# KiCad board EEZ DIB DCP405plus.kicad_pcb (continued)
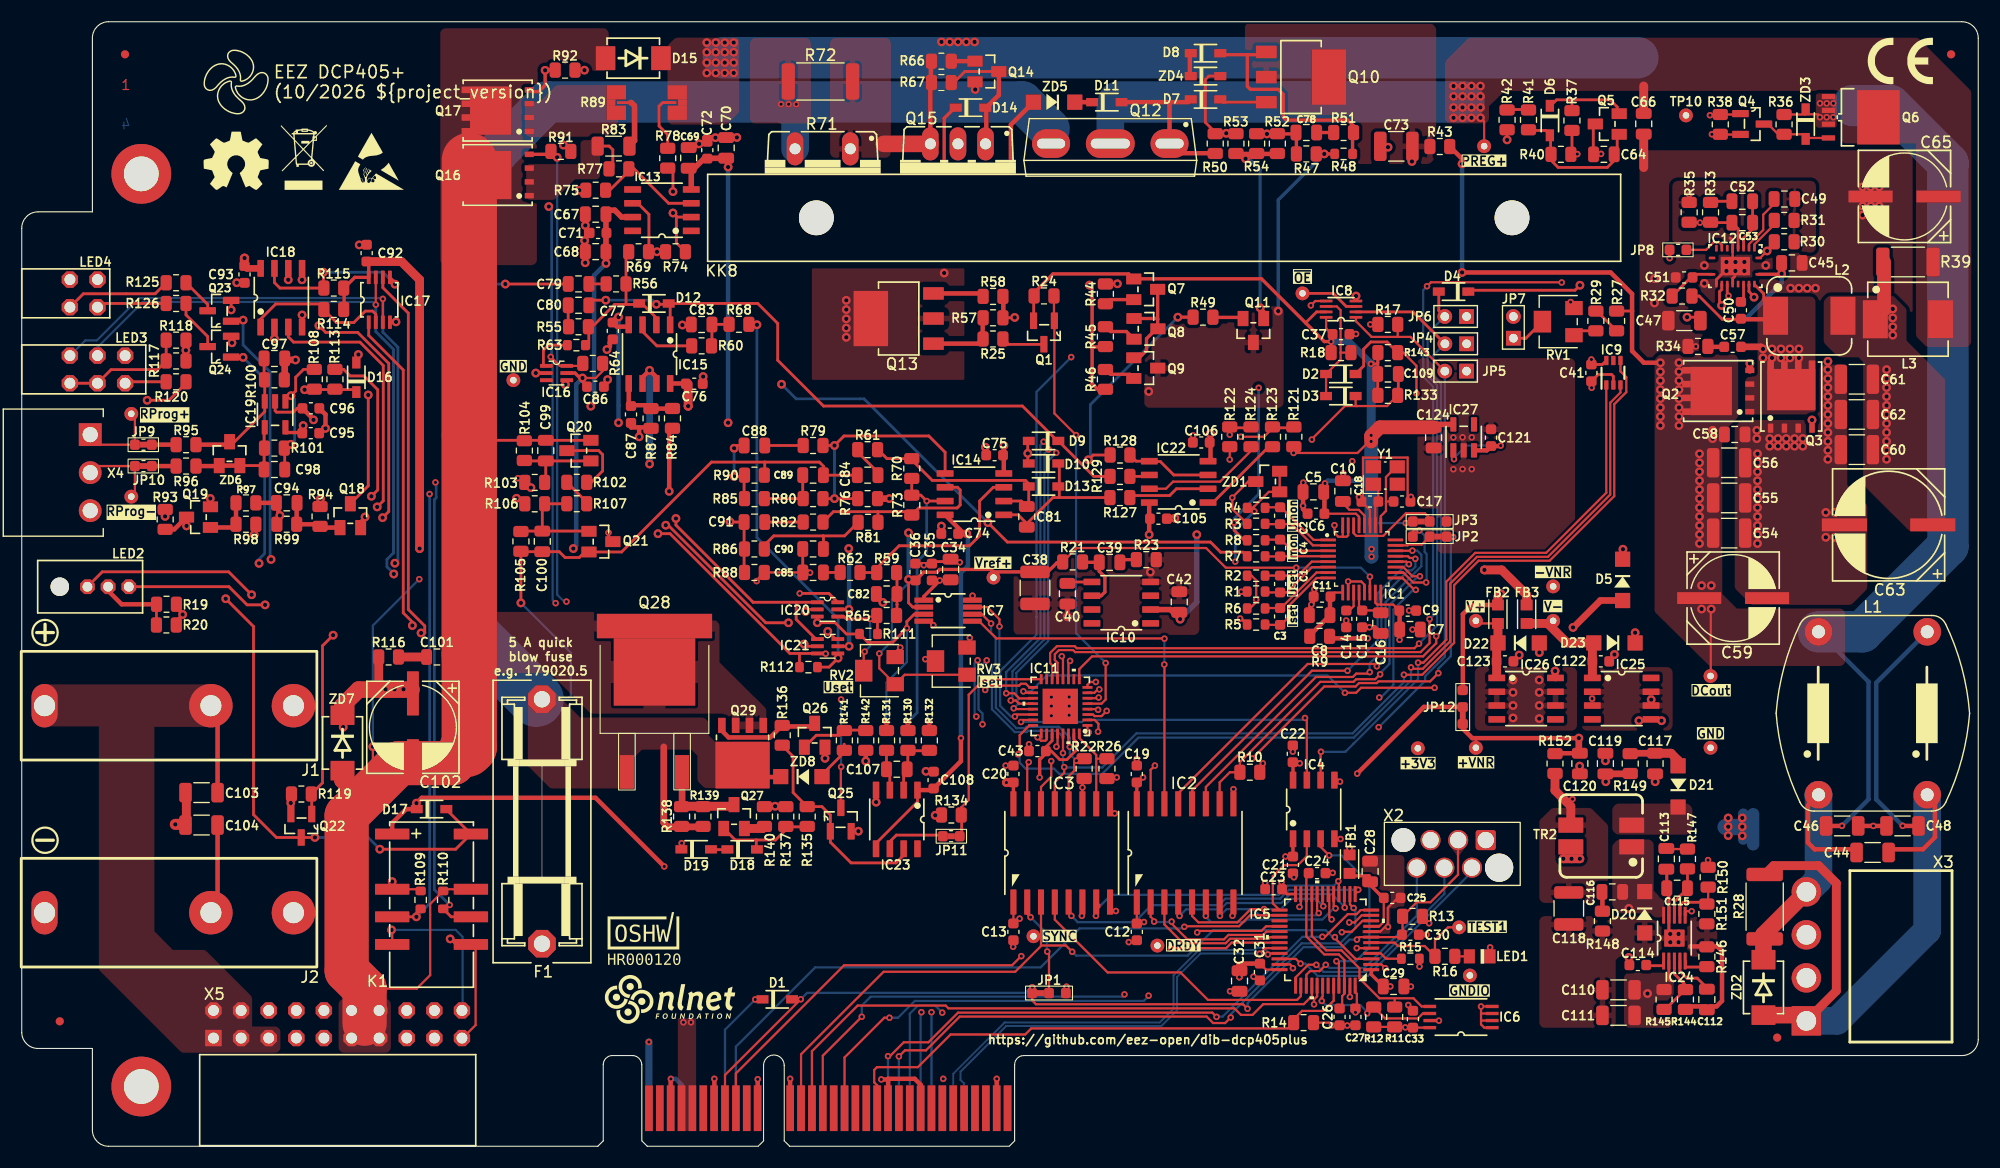
[diagram p0: board, top side]
## Routing (per net, layer and track width the routed paths; a pad name or vN(x,y) marks a point on that pad's centre or on a via; arc(x,y) is an arc through that point) (continued)
  Top w0.254: LED2.GREEN 19.06,51.5 20.73,49.83 v1(22.39,49.83)
  In2.Cu w0.203: 95.55,45.23 v2(95.68,45.1) 95.46,44.88 89.91,44.88 89.42,45.37 88.58,45.37 v2(87.94,44.73) ; v1(22.39,49.83) 22.73,49.83 26.82,45.74 54.3,45.74 61.69,38.35 84.51,38.35 85.71,39.55 v2(87.82,39.55)
  Bottom w0.203: v2(87.82,39.55) 87.66,39.7 87.66,44.46 v2(87.94,44.73)
/DAC, OE, Vref, IOEXP, Temp/~{OE_LED_RED}: length 106.3
  Top w0.203: v2(96.44,44.67) 96.29,44.52 IC11.11
  Top w0.254: LED2.RED 7.41,52.87 19.04,52.87 v1(21.15,50.76)
  In2.Cu w0.203: v2(88.39,38.84) 85.53,38.84 84.68,37.99 61.54,37.99 54.15,45.38 26.61,45.38 22.91,49.08 22.12,49.08 21.15,50.05 v1(21.15,50.76) ; 96.25,44.47 89.38,44.47 89.13,44.72 v2(88.78,44.72) ; 96.25,44.47 v2(96.44,44.67) 96.25,44.47
  In2.Cu w0.254: 21.32,50.59 v1(21.15,50.76)
  Bottom w0.203: v2(88.39,38.84) 88.39,39.83 88.02,40.2 88.02,43.96 v2(88.78,44.72)
/DAC, OE, Vref, IOEXP, Temp/~{SET_DP}: length 40.9
  Top w0.203: v2(97,65.45) 95,67.45 Q1.1 94.96,76.02 R24.2 ; IC11.5 99.34,40.74 99.72,41.12 v2(99.72,44.48)
  Bottom w0.203: v2(97,65.45) 97,47.22 99.72,44.5 v2(99.72,44.48)
/DIB isolators, EEPROM, ADC, MCU/AC_FREQ: length 55
  Top w0.203: IC5.40 118.69,13.82 117.95,13.08 114.22,13.08 113.23,12.09 112.17,12.09 111.57,12.69 85.26,12.69 85,12.95 76.9,12.95 72.7,8.75 X1.B14
/DIB isolators, EEPROM, ADC, MCU/ADC_IRQ: length 20
  Top w0.203: v2(110.23,21.21) 110.21,21.23 IC2.7 ; v2(119.33,21.46) 119.17,21.61 IC5.20
  In2.Cu w0.203: v2(110.23,21.21) 110.23,20.55 108.71,19.03 105.04,19.03 TP2.1
  Bottom w0.203: v2(119.33,21.46) 119.12,21.26 113.86,21.26 113.3,21.82 110.84,21.82 v2(110.23,21.21)
/DIB isolators, EEPROM, ADC, MCU/ADC_MISO: length 15.5
  Top w0.203: IC5.17 120.7,22.07 v2(120.87,21.89) ; IC2.6 108.94,21.11
  In2.Cu w0.203: 108.94,21.11 108.94,21.16
  Bottom w0.203: 108.94,21.11 109.39,20.65 112.49,20.65 112.71,20.87 119.66,20.87 120.68,21.89 v2(120.87,21.89)
  vias: v2(108.94,21.21)
/DIB isolators, EEPROM, ADC, MCU/ADC_MOSI: length 15.9
  Top w0.203: IC2.5 107.67,22.47 107.67,21.19 108.25,20.61 111.84,20.61 113.07,21.83 v2(114.29,21.83) ; v2(119.74,22.1) 119.68,22.15 IC5.19
  Bottom w0.203: v2(114.29,21.83) 115.85,21.83 116.8,22.78 119.05,22.78 v2(119.74,22.1)
/DIB isolators, EEPROM, ADC, MCU/ADC_SCLK: length 19.2
  Top w0.203: v2(106.52,21.2) 106.4,21.32 IC2.4 ; v2(121.71,21.97) 121.69,21.99 IC5.15
  Bottom w0.203: v2(106.52,21.2) 107.12,21.8 110.28,21.8 110.86,22.38 115.87,22.38 116.7,23.21 120.52,23.21 121.71,22.02 v2(121.71,21.97)
/DIB isolators, EEPROM, ADC, MCU/CLK_IN: length 58.3
  Top w0.203: v2(122.82,18.24) 123.01,18.24 123.02,18.24 IC5.5 ; X1.B17 75.7,8.17 79.35,11.83 v2(79.83,11.83)
  In2.Cu w0.203: v2(122.82,18.24) 122.82,16.96 121.06,15.2 120.04,15.2 118.49,13.65 103.88,13.65 v2(103.67,13.86)
  Bottom w0.203: v2(79.83,11.83) 80.62,11.83 82.17,13.38 103.24,13.38 103.67,13.81 v2(103.67,13.86)
/DIB isolators, EEPROM, ADC, MCU/DIB_BOOT0: length 50.1
  Top w0.203: IC5.44 120.7,13.4 119.76,12.46 117.79,12.46 117.01,11.69 R14.2 116.48,10.85 92.88,10.85 92.32,10.29 85.45,10.29 82.44,7.28 78.68,7.28 78.43,7.03 78.43,5.88 78.7,5.61 X1.B20
/DIB isolators, EEPROM, ADC, MCU/DIB_CSA: length 53.1
  Top w0.203: IC5.11 123.28,21.26 122.62,20.6 v2(122.13,20.6)
  In2.Cu w0.203: v2(122.13,20.6) 121.69,20.6 121.41,20.31 119.14,20.31 115.41,16.58 87.83,16.58 83.7,12.45 v2(83.7,12.34)
  Bottom w0.203: X1.A25 v2(83.7,12.34)
/DIB isolators, EEPROM, ADC, MCU/DIB_IRQ: length 52.6
  Top w0.203: v2(120.51,20.88) 120.29,21.1 120.29,23.11 IC5.18
  In2.Cu w0.203: v2(82.77,12.34) 82.78,12.34 87.37,16.93 115.26,16.93 119.05,20.72 120.35,20.72 v2(120.51,20.88)
  Bottom w0.203: X1.A24 82.7,12.27 v2(82.77,12.34)
/DIB isolators, EEPROM, ADC, MCU/DIB_MISO: length 55.6
  Top w0.203: IC5.10 123.35,20.75 122.34,19.74 121.49,19.74 v2(121.45,19.7)
  In2.Cu w0.203: v2(84.68,12.3) 84.68,12.58 88.32,16.22 115.56,16.22 119.24,19.9 121.25,19.9 v2(121.45,19.7)
  Bottom w0.203: X1.A23 81.7,12.2 82.49,12.99 83.99,12.99 v2(84.68,12.3)
/DIB isolators, EEPROM, ADC, MCU/DIB_MOSI: length 55.7
  Top w0.203: v2(111.22,11.85) 110.71,11.34 109.61,11.34 109.01,11.94 86.3,11.94 83.19,8.83 81.26,8.83 v2(80.7,8.27) ; IC5.14 122.2,22.26 v2(122.53,21.93)
  Bottom w0.203: v2(80.7,8.27) X1.A22 ; v2(111.22,11.85) 111.22,12.14 117.76,18.68 121.29,18.68 122.69,20.08 122.69,21.77 v2(122.53,21.93)
/DIB isolators, EEPROM, ADC, MCU/DIB_SCLK: length 55.1
  Top w0.203: v2(79.7,8.29) 79.87,8.29 81.15,9.57 83.41,9.57 86.14,12.3 109.53,12.3 v2(109.92,11.91) ; v2(119.66,19.28) 119.91,19.28 121.99,21.36 122.8,21.36 123.18,21.74 IC5.12
  Bottom w0.203: v2(109.92,11.91) 109.95,11.94 110.49,11.94 117.83,19.28 v2(119.66,19.28) ; X1.A21 v2(79.7,8.29)
/DIB isolators, EEPROM, ADC, MCU/DIB_SYNC: length 68.8
  Top w0.203: 93.77,18.48 93.77,18.43 91.4,16.06 79.29,16.06 71.7,8.47 X1.B13 ; 93.77,18.48 96.06,18.48 v2(96.64,17.9) ; 93.77,18.48 93.77,19.3 ; TP1.1 93.11,19.3 93.77,19.3 ; v2(120.81,19.25) 120.85,19.21 120.85,19.1 122.71,17.25 IC5.3 ; 93.77,19.3 IC3.3
  Bottom w0.203: v2(96.64,17.9) 96.66,17.9 97.01,17.55 107.28,17.55 109.62,19.89 119.97,19.89 120.61,19.25 v2(120.81,19.25)
/DIB isolators, EEPROM, ADC, MCU/DIB_TOUT: length 63.9
  Top w0.203: IC5.2 125.09,16.74 v2(125.44,16.39) ; v2(77.28,11.92) 73.7,8.34 X1.B15
  In2.Cu w0.203: v2(101.45,13.98) 101.94,13.98 103.04,12.88 111.64,12.88 112.53,11.99 121.48,11.99 125.44,15.95 v2(125.44,16.39)
  Bottom w0.203: v2(101.45,13.98) 101.24,13.76 78.09,13.76 77.28,12.95 v2(77.28,11.92)
/DIB isolators, EEPROM, ADC, MCU/DIB_USB_D+: length 40.2
  Top w0.203: IC5.33 114.74,17.75 v2(114.64,17.65)
  Bottom w0.178: X1.A27 85.7,6.67 90.42,11.4 104.7,11.4 105.96,12.66 105.96,15.72 108.31,18.08 113.41,18.08 113.6,18.27 114.24,18.27 114.64,17.87 v2(114.64,17.65)
/DIB isolators, EEPROM, ADC, MCU/DIB_USB_D-: length 39.4
  Top w0.203: v2(113.89,17.72) 114.4,18.24 IC5.32
  Bottom w0.178: v2(113.89,17.72) 113.86,17.74 108.45,17.74 106.29,15.59 106.29,12.52 104.83,11.06 90.56,11.06 86.36,6.87 86.36,6.11 86.7,5.78 X1.A28
/DIB isolators, EEPROM, ADC, MCU/I_MON_AIN: length 5.9
  Top w0.203: IC1.4 115.87,54.31 115.85,54.29 ; 115.77,54.37 115.85,54.29 ; 115.85,54.29 114.41,54.29 R7.1
/DIB isolators, EEPROM, ADC, MCU/I_MON_AIN-: length 6.3
  Top w0.203: R8.1 114.46,55.84 115.85,55.84 116.88,54.81 IC1.3
/DIB isolators, EEPROM, ADC, MCU/I_SET_AIN: length 8.3
  Top w0.203: R5.1 114.42,47.99 115.85,47.99 116.58,48.72 116.58,49.76 119.13,52.31 IC1.8 ; 114.44,47.99 114.39,48.04
/DIB isolators, EEPROM, ADC, MCU/I_SET_AIN-: length 7.2
  Top w0.203: R6.1 114.43,49.54 115.85,49.54 119.12,52.81 IC1.7
/DIB isolators, EEPROM, ADC, MCU/ISO_ADC_MISO: length 35.3
  Top w0.203: v2(124.01,43.64) 123.87,43.5 122.77,43.5 122.47,43.19 119.06,43.19 108.94,33.07 IC2.11 ; v2(128.21,54.07) 128.13,54.14 127.69,54.14 127.53,54.31 IC1.21
  Bottom w0.203: v2(128.21,54.07) 128.21,53.33 127.89,53.01 127.58,53.01 125.09,50.52 125.09,45.53 124.01,44.45 v2(124.01,43.64)
/DIB isolators, EEPROM, ADC, MCU/ISO_ADC_MOSI: length 33.7
  Top w0.203: v2(121.97,43.77) 118.7,43.77 107.67,32.74 IC2.12 ; v2(127.62,53.57) 127.39,53.81 IC1.20
  Bottom w0.203: v2(127.62,53.57) 127.4,53.57 124.74,50.91 124.74,46.54 v2(121.97,43.77)
/DIB isolators, EEPROM, ADC, MCU/ISO_ADC_SCLK: length 38.8
  Top w0.203: v2(127.94,54.82) 127.93,54.81 IC1.22 ; v2(124.67,44.18) 124.46,44.39 118.3,44.39 106.4,32.49 IC2.13
  Bottom w0.203: v2(127.94,54.82) 128.38,54.82 128.76,54.44 128.76,53.38 125.48,50.1 125.48,44.99 v2(124.67,44.18)
/DIB isolators, EEPROM, ADC, MCU/MISO1: length 20.5
  Top w0.203: IC5.28 114.47,20.24 114.05,19.82 108.28,19.82 v2(108.14,19.68) ; v2(97.53,21.21) 97.58,21.26 IC3.6
  In2.Cu w0.203: v2(97.53,21.21) 99.2,19.54 108,19.54 v2(108.14,19.68)
/DIB isolators, EEPROM, ADC, MCU/MOSI1: length 28.4
  Top w0.203: v2(122.96,23.61) 122.96,23.5 IC5.13
  Bottom w0.203: v2(122.96,23.61) 116.59,23.61 115.77,22.79 110.74,22.79 110.14,22.19 103.93,22.19 102.36,20.62 97.15,20.62 v2(96.57,21.21) 96.57,21.23
/DIB isolators, EEPROM, ADC, MCU/RESET_OUT: length 25.3
  Top w0.203: IC5.41 119.17,13.8 118.89,13.52 v2(118.89,13.06)
  In2.Cu w0.203: v2(118.89,13.06) 118.69,13.26 103.2,13.26 101.77,14.69 v2(96.12,14.69)
/DIB isolators, EEPROM, ADC, MCU/SCL: length 12.8
  Top w0.203: v2(123.78,12.23) 124.36,12.81 R12.2 125.43,11.76 128.45,11.76 128.9,12.22 IC6.6 ; IC5.42 119.68,13.78 119.6,13.7 v2(119.6,13.37)
  Bottom w0.203: v2(123.78,12.23) 123.78,12.36 123.14,13 119.97,13 v2(119.6,13.37)
/DIB isolators, EEPROM, ADC, MCU/SCLK1: length 28.4
  Top w0.203: IC3.4 95.04,20.86 99.9,16 106.6,16 109.13,13.47 117.33,13.47 117.67,13.82 IC5.38
/DIB isolators, EEPROM, ADC, MCU/SDA: length 18.7
  Top w0.203: R11.2 126.31,13.62 ; IC5.21 118.69,19.35 120,18.03 121.41,18.03 123.07,16.38 123.07,15.45 124.91,13.62 128.04,13.62 128.79,12.87 IC6.5
/DIB isolators, EEPROM, ADC, MCU/SWCLK: length 20.6
  Top w0.203: IC5.37 117.19,15.54 118.36,16.71 119.09,16.71 v2(119.1,16.7)
  Bottom w0.203: X2.4 130.88,23.22 123.71,16.05 119.75,16.05 v2(119.1,16.7)
/DIB isolators, EEPROM, ADC, MCU/SWDIO: length 22.8
  Top w0.203: IC5.34 117.22,17.25 v2(117.65,16.81)
  Bottom w0.203: X2.2 133.42,25.26 123.84,15.68 119.22,15.68 118.09,16.81 v2(117.65,16.81) 117.58,16.88 117.58,16.9
/DIB isolators, EEPROM, ADC, MCU/SWO: length 18.1
  Top w0.203: v2(119.97,16.7) 119.39,16.12 118.52,16.12 118.18,15.78 IC5.39
  Bottom w0.203: v2(119.97,16.7) 120.02,16.7 120.31,16.41 123.53,16.41 128.34,21.22 X2.6
/DIB isolators, EEPROM, ADC, MCU/TYPE_ID: length 3
  Top w0.203: R15.2 125.52,17.26 125.03,17.75 IC5.4
/DIB isolators, EEPROM, ADC, MCU/U_MON_AIN: length 6.6
  Top w0.203: IC1.2 118.79,55.31 116.83,57.26 114.42,57.26 R3.1
/DIB isolators, EEPROM, ADC, MCU/U_MON_AIN-: length 7.1
  Top w0.203: IC1.1 118.85,55.81 115.85,58.81 114.44,58.81 R4.1
/DIB isolators, EEPROM, ADC, MCU/U_SET_AIN: length 6.8
  Top w0.203: R1.1 114.47,50.97 116.38,50.97 118.71,53.31 IC1.6
/DIB isolators, EEPROM, ADC, MCU/U_SET_AIN-: length 6.3
  Top w0.203: R2.1 114.4,52.52 117.4,52.52 118.68,53.81 IC1.5
/DIB isolators, EEPROM, ADC, MCU/~{ADC_CS}: length 14.6
  Top w0.203: 104.18,20.64 104.18,20.8 103.86,21.12 IC2.2 ; v2(105.79,20.68) 105.79,20.49 107.24,19.04 110.6,19.04 111.02,19.45 114.21,19.45 114.52,19.76 IC5.29
  Bottom w0.203: v2(105.79,20.68) 105.75,20.64 104.18,20.64
  vias: v2(104.18,20.68)
/DIB isolators, EEPROM, ADC, MCU/~{DAC_CS}: length 13.6
  Top w0.203: IC2.3 105.13,20.41 106.85,18.69 110.75,18.69 111.16,19.1 114.71,19.1 114.86,19.25 IC5.30
/DIB isolators, EEPROM, ADC, MCU/~{DIB_ALERT}: length 60.7
  Top w0.203: IC5.26 113,21.26 111.99,20.25 107.01,20.25 v2(106.96,20.2)
  Bottom w0.203: v2(106.96,20.2) 106.81,20.05 97.32,20.05 93.73,16.46 72.99,16.46 65.7,9.17 X1.A9
/DIB isolators, EEPROM, ADC, MCU/~{DIB_FAULT}: length 58.3
  Top w0.203: X1.B9 65.7,6.7 75.66,16.66 91.11,16.66 91.95,17.5 v2(91.96,17.5) ; IC5.31 115.72,18.74 111.31,18.74 110.81,18.24 105.77,18.24 v2(105.72,18.19)
  In2.Cu w0.203: v2(91.96,17.5) 92.12,17.34 104.8,17.34 105.65,18.19 v2(105.72,18.19)
/DIB isolators, EEPROM, ADC, MCU/~{DIB_RESET}: length 84.9
  Top w0.203: v2(122.84,19.02) 123.07,19.25 IC5.7 126.76,19.25 C30.2 127.04,19.53 R13.1 128.34,22.46 129.6,22.46 132.14,25 132.14,28.17 X2.3 ; X1.B8 64.7,6.56 v2(71.67,13.53) ; v2(92.97,14.64) 92.96,14.63 JP1.NC 92.96,13.42 93.31,13.07 112.36,13.07 v2(112.77,12.66)
  Bottom w0.203: v2(71.67,13.53) 72.26,14.12 92.34,14.12 92.86,14.64 v2(92.97,14.64) ; v2(122.84,19.02) 122.15,19.02 121.45,18.32 117.92,18.32 112.77,13.17 v2(112.77,12.66)
/DIB isolators, EEPROM, ADC, MCU/~{DIB_SHUTDOWN}: length 11.2
  Top w0.203: 67.46,13.53 v2(67.48,13.51)
  Bottom w0.203: v2(67.48,13.51) 64.7,10.73 X1.A8
/DIB isolators, EEPROM, ADC, MCU/~{IOEXP_CS}: length 8.9
  Top w0.203: IC5.25 115.1,22.36 115.1,24.85 116.12,25.87 117.4,25.87 118.23,26.7 IC4.2
/DIB isolators, EEPROM, ADC, MCU/~{IOEXP_IRQ}: length 26.6
  Top w0.203: v2(121.13,24.4) 121.18,24.35 IC5.16 ; IC3.7 99.13,22.2 99.13,22.03 98.83,21.73 v2(98.83,21.21)
  Bottom w0.203: v2(98.83,21.21) 98.83,21.73 100.24,23.15 115.63,23.15 116.47,23.99 120.72,23.99 v2(121.13,24.4)
/DIB isolators, EEPROM, ADC, MCU/~{ISO_ADC_CS}: length 47
  Top w0.203: JP2.NC 131.11,56.08 v2(131.69,56.08) ; v2(104.25,35.04) 103.86,34.64 IC2.15 ; v2(113.2,35.69) 119.83,42.31 122.72,42.31 123.03,42.63 124.67,42.63 124.82,42.79 129.57,42.79 v2(130.33,43.54)
  In2.Cu w0.203: v2(104.25,35.04) 112.56,35.04 v2(113.2,35.69)
  Bottom w0.203: v2(130.33,43.54) 130.33,43.96 131.47,45.11 131.47,55.86 v2(131.69,56.08)
/DIB isolators, EEPROM, ADC, MCU/~{ISO_ADC_IRQ}: length 34.6
  Top w0.203: v2(128.63,52.46) 127.95,52.46 127.1,53.31 IC1.19 ; IC2.10 110.21,33.49 111.14,34.42 R10.2 112.07,35.35 119.47,42.75 122.52,42.75 122.76,42.99 124.52,42.99 v2(124.97,43.44)
  Bottom w0.203: v2(124.97,43.44) 124.97,43.54 125.84,44.4 125.84,49.82 128.47,52.46 v2(128.63,52.46)
/DIB isolators, EEPROM, ADC, MCU/~{TEMP_CS}: length 18.5
  Top w0.203: v2(120.28,26.77) 119.5,27.55 IC4.3 ; IC5.45 121.18,16.9 121.05,17.03 v2(120.95,17.03)
  Bottom w0.203: v2(120.95,17.03) 122.73,17.03 123.98,18.28 123.98,24.21 121.42,26.77 v2(120.28,26.77)
/Power pre-regulator/DC+: length 27
  Top w0.406: L1.1 164.33,31.38 164.33,27.94 164.94,27.33 168.51,27.33 C44.2
  Top w1.524: ZD2.C 160.24,19.47 X3.4
  Bottom w2.54: X3.4 165.3,24.54 L1.1 165.27,32.32
/Power pre-regulator/DC-: length 61.7
  Top w0.406: L1.3 176.02,31.64 176.02,28.45 174.9,27.33 172.05,27.33 C44.1
  Top w0.813: R28.2 161.16,25.83 165.32,25.83 166.94,24.21 166.94,14.29 X3.1
  Top w1.524: X3.1 163.66,12.07 ZD2.A
  Bottom w2.54: L1.3 175.3,19.85 166.99,11.54 X3.1
/Power pre-regulator/EN_ULVO: length 31.5
  Top w0.203: R30.2 161.24,83.06 v1(160.58,82.4) 159.93,81.76 IC12.1
  Top w0.254: v1(143.35,79.25) 142.9,78.79 133.26,78.79 132.85,78.38
  In2.Cu w0.254: v1(143.35,79.25) 146.51,82.4 v1(160.58,82.4)
/Power pre-regulator/FB: length 23.9
  Top w0.254: 157.28,85.07 C53.1 ; C53.1 157.34,85.01 153.4,85.01 153.4,85.07 ; C53.1 157.91,84.44 IC12.5 ; 144.58,94.09 144.58,91.32 C64.1 145.26,91.29 v2(145.3,91.33)
  In2.Cu w0.254: v2(145.3,91.33) 145.3,87.87 148.16,85.01 v2(154.4,85.01)
/Power pre-regulator/HO: length 8.3
  Top w0.254: IC12.18 158.91,78.68 v1(159.37,78.15)
  Top w0.406: 158.99,71.43 Q2.4
  Top w0.61: v1(158.99,72.05) 158.98,72.04 Q2.4
  In2.Cu w0.61: v1(158.99,72.05) 158.98,72.06 158.98,77.76 v1(159.37,78.15)
/Power pre-regulator/LO: length 20.6
  Top w0.254: v1(164.71,66.85) Q3.4 ; v1(156.39,77.39) 156.2,77.58 156.2,78.66 156.41,78.87 IC12.13
  In2.Cu w0.61: v1(164.71,66.85) 158.42,66.85 157.97,67.29 157.97,75.78 156.39,77.36 v1(156.39,77.39)
/Power pre-regulator/SW: length 13
  Top w0.254: 160.26,77.83 160.26,78.47 159.41,79.32 IC12.19 ; 158.06,76.12 156.45,76.12 154.31,78.25 R32.2 ; L2.1 161.39,76.83
  Top w0.406: 158.16,76.09 158.06,76.12 160.83,76.12 160.9,76.18 L2.1
  Top w0.61: v1(160.2,73.39) 160.01,73.58 158.35,73.58
  vias: v1(160.2,72.56) v1(161.02,73.39) v1(161.02,72.56) v1(161.85,73.39) v1(161.85,72.56) v1(162.67,73.39) v1(162.67,72.56) v1(163.5,73.39) v1(163.5,72.56)
/Rsense protection, power output, Rprog/AUX_OUT: length 64.8
  Top w0.254: v1(32.17,59.82) 32.75,60.4 32.75,69.63 31.48,70.9 30.21,70.9 29.61,71.51 28.88,71.51 ; v1(60.19,57.78) 60.19,57.17 67.29,50.07 71.25,50.07 ; 28.88,71.54 29.33,71.54 ; IC21.1 73.06,46.68 71.25,48.5 71.25,50.07 71.25,50.07 ; 71.25,50.07 IC20.1
  In2.Cu w0.254: v1(60.19,57.78) 60.02,57.94 56.35,57.94 55.42,58.87 34.04,58.87 33.24,59.67 32.32,59.67 v1(32.17,59.82)
/Rsense protection, power output, Rprog/OUTC+: length 8.3
  Top w0.406: C103.1 18.02,39.93 J1.1
/Rsense protection, power output, Rprog/OUTC-: length 8.3
  Top w0.406: C104.2 18.02,22.12 J2.1
/Rsense protection, power output, Rprog/SENSE_IN+: length 39.3
  Top w0.2: v1(34.02,19.91) 34.08,19.85 K1.5
  In2.Cu w0.2: J1.2 28.11,37.44 28.11,25.82 v1(34.02,19.91)
  Bottom w0.2: v1(34.02,19.91) 39.92,19.91 40.56,19.28 40.56,12.5
/Rsense protection, power output, Rprog/SENSE_IN-: length 26.8
  Top w0.2: v1(39.42,19.09) 39.92,18.58 K1.8 41.75,18.15 41.75,11.15 40.56,9.96
  In2.Cu w0.2: J2.2 27.41,19.09 v1(39.42,19.09)
AUX_ISET_SW: length 101
  Top w0.203: IC11.1 98.05,38.2 v2(98.15,38.09)
  Top w0.254: v1(36.74,47.24) 37.07,47.24 37.08,47.25 37.08,47.89 35.56,49.41 35.56,76.68 33.22,79.02 IC17.6
  In2.Cu w0.203: v2(98.15,38.09) 97.91,38.34 92.66,38.34 92.45,38.12 91.49,38.12 89.43,40.18 73.02,40.18 65.68,47.52 37.37,47.52 37.09,47.24 v1(36.74,47.24)
AUX_USET_SW: length 98.8
  Top w0.203: IC11.2 98.71,39.24 99.05,38.89 99.05,38.19 v2(99.02,38.16)
  Top w0.254: IC17.1 31.92,74.62 35.1,71.45 35.1,49.09 35.94,48.25 v1(35.94,47.93)
  In2.Cu w0.203: v1(35.94,47.93) 36.19,47.93 36.21,47.9 65.8,47.9 73.17,40.54 89.58,40.54 91.64,38.48 92.3,38.48 92.52,38.69 98.49,38.69 v2(99.02,38.16)
CC_ACTIVE: length 47.2
  Top w0.203: IC11.19 93.03,41.22 91.78,41.22 91.31,41.69 v2(90.57,41.69) ; v2(111.13,65.49) 111.13,66.08 111.14,66.09
  Top w0.254: 111.14,66.12 113.1,66.12
  In2.Cu w0.203: v2(94.01,64.84) 94.02,64.86 110.5,64.86 v2(111.13,65.49)
  Bottom w0.203: v2(90.57,41.69) 90.57,43.64 93.72,46.79 93.72,64.56 v2(94.01,64.84)
CC_LED_OUT: length 109.8
  Top w0.203: v2(99.82,40.07) 99.34,39.59 98.7,39.59 98.55,39.74 IC11.3
  In2.Cu w0.203: 22.99,53.95 23.31,53.63 31.8,53.63 34.04,51.38 65.35,51.38 65.93,50.8 65.93,50.8 72.62,44.12 98.92,44.12 100.07,42.97 100.07,40.33 v2(99.82,40.07)
  In2.Cu w0.254: 22.99,53.95 v1(22.93,54.01)
  Bottom w0.254: v1(22.93,54.01) 22.84,54.1 22.84,71.28 20.37,73.75 v1(20.37,76.04)
CURR_HI: length 111.2
  Top w0.203: IC11.7 98.68,41.74 98.99,42.05 v2(99.14,42.05) ; R64.2 51.39,71.83 IC16.6 49.5,71.83 v2(48.67,72.66)
  Top w0.305: 49.04,99.05 48.55,99.05 v1(48.15,99.03) 48.15,97.66 47.56,97.07 47,97.07
  In2.Cu w0.203: v2(99.14,42.05) 99.1,42.08 98.54,42.08 97.58,43.05 72.17,43.05 65.75,49.48 49.63,49.48 v2(49.12,49.99)
  In2.Cu w0.254: v1(48.49,86.49) 48.5,86.5 48.5,98.68 v1(48.15,99.03)
  Bottom w0.203: 48.5,72.68 48.84,72.34 48.84,50.26 v2(49.12,49.99)
  Bottom w0.254: v1(48.49,86.49) 48.75,86.23 48.75,72.92 48.5,72.68
CURR_LO: length 96.1
  Top w0.203: v2(98.81,42.73) 98.31,42.73 98.05,42.47 IC11.8
  Top w0.305: R91.2 48.41,91.29 47,91.29
  In2.Cu w0.203: v2(50.11,50.13) 50.4,49.84 65.89,49.84 72.32,43.41 98.14,43.41 v2(98.81,42.73)
  Bottom w0.203: v2(50.11,50.13) 49.9,50.13 49.26,50.77 49.26,90.55 v1(49.26,91.02)
CV_ACTIVE: length 50.1
  Top w0.203: v2(112.15,65.3) 114.29,65.3 115.08,66.09 ; v2(90.99,41.03) 91.46,41.03 91.76,40.74 IC11.20
  Top w0.254: 115.08,66.12 117.04,66.12
  In2.Cu w0.203: v2(94.47,64.13) 94.82,64.48 111.33,64.48 v2(112.15,65.3)
  Bottom w0.203: v2(90.99,41.03) 91.15,41.19 91.15,43.71 94.08,46.64 94.08,63.74 v2(94.47,64.13)
CV_LED_OUT: length 106.3
  Top w0.203: v2(99.02,40.17) 98.96,40.24 IC11.4
  In2.Cu w0.203: v2(99.02,40.17) 99.69,40.84 99.69,42.78 98.71,43.76 72.47,43.76 65.2,51.03 33.7,51.03 31.54,53.19 22.27,53.19 21.83,53.63
  In2.Cu w0.254: v1(21.83,53.65) 21.83,53.63
  Bottom w0.254: v1(21.83,53.65) 21.83,54.04 22.35,54.55 22.35,70.62 v1(20.36,72.61)
DC_OUT: length 180.5
  Top w0.203: 165.27,94.98 164.06,94.98 164.05,94.96 R36.2 ; 155.39,43.64 155.39,49.41 v1(155.43,49.45)
  Top w0.254: 161.91,81.2 161.91,80.31 v1(161.91,80.31) 161.86,80.26 161.52,80.26 ; R27.2 148.13,76.88 148.15,76.86 ; 151.66,15.22 151.54,15.35 IC24.2
  Top w0.305: IC12.20 161.52,80.26
  Top w0.406: C46.2 167.45,29.48 v2(167.46,29.49) ; v1(150.75,72.12) 149.23,72.12 148.15,73.2 148.15,78.45 146.17,80.42 v1(132.51,80.42) ; v1(132.51,90.42) 132.51,90.88 131.55,91.84
  In2.Cu w1.27: v1(149.57,14.06) 161.9,26.39 161.9,43.95 L1.2
  Bottom w0.406: v1(161.91,80.31) 161.91,79.46 158.82,76.38 ; v1(132.51,80.42) v1(132.51,90.42) ; L1.2 169.91,42.75 169.91,31.94 v2(167.46,29.49)
  Bottom w3.81: L1.2 169.32,47.35 177.21,55.24 177.21,90.47 171.9,95.78 168.47,95.78
  vias: v1(150.75,71.29) v1(150.75,70.47) v1(150.75,69.64) v1(150.75,68.81) v1(150.75,67.99) v1(150.75,67.16) v1(150.75,66.34) v1(152.47,72.12) v1(152.47,71.29) v1(152.47,70.47) v1(152.47,69.64) v1(152.47,68.81) v1(152.47,67.99) v1(152.47,67.16) v1(152.47,66.34) v1(154.35,63.73) v1(154.35,62.91) v1(154.35,62.08) v1(154.35,61.26) v1(154.35,60.43) v1(154.35,59.61) v1(154.35,58.78) v1(154.35,57.96) v1(154.35,57.13) v1(154.35,56.3) v1(154.35,55.48) v1(154.55,51.61) v1(154.55,49.45) v1(155.43,51.61) v1(155.56,65.89) v1(155.56,65.13) v2(165.44,95.99) v2(165.43,94.71) v2(166.05,95.99) v2(166.05,94.71) v2(166.67,95.99) v2(166.67,94.71)
DIB_3V3: length 22
  Top w0.203: v2(127.29,10.94) 127.24,10.99 R11.1 R12.1 ; IC5.48 122.68,14.19 122.83,14.04 122.83,12.81 C27.1 ; 122.03,27.41 122.02,27.42 ; C31.1 114.47,16.25 IC5.36 ; R13.2 129.48,20.54 v2(129.48,20.52) ; IC2.1 C12.2 ; IC6.8 C33.2 ; C13.2 IC3.1
  Top w0.254: IC5.24 116.39,23.21 C23.1 115.95,24.26 v2(115.9,24.31)
  Top w0.305: 125.14,14.83 124.15,15.82 IC5.1 ; IC4.1 116.95,28.29 C21.2
  Top w0.406: C31.1 112.16,16.81 ; 60.69,3.51 X1.B4
  Top w0.61: 112.04,16.69 112.04,15.58 v2(112.02,15.57)
  vias: v2(60.87,11.41) v2(61.57,11.41) v2(91.81,20.95) v2(103.25,20.64) v2(116.26,26.67) v2(122.16,27.42) v2(122.7,12.33) v2(125.91,14.71)
DIB_GND: length 49.2
  Top w0.203: 126.8,22.86 126.86,22.81 126.54,22.81 125.68,21.94 125.68,20.45 124.99,19.76 IC5.8 ; IC2.8 111.48,21.3 v2(111.39,21.22) ; v2(135.09,18.3) 135.09,17.49 LED1.C ; C30.1 v2(129.23,19.47) ; 134.25,12.21 v2(134.25,12.87) 134.26,12.87 IC6.4 ; 134.25,12.21 134.26,12.22 IC6.3 ; 134.25,12.21 134.25,11.54 ; R14.1 120.28,11.38 v2(120.54,11.12) ; v2(116.95,16.39) 116.95,16.49 116.71,16.74 IC5.35 ; v2(125.7,20.19) 125.7,20.46 ; v2(100.66,21.65) 100.24,21.65 100.12,21.77 IC3.8 ; IC6.1 134.55,10.92 134.25,11.22 134.25,11.54 ; IC5.47 122.19,14.78 v2(122.19,13.75) ; IC5.23 117.67,22.15 v2(117.55,22.03) ; IC6.2 134.28,11.57 134.25,11.54 ; R15.1 128.58,16.55 v2(128.59,16.54)
  Top w0.305: v2(120.54,11.12) 120.55,11.11 v2(121.95,11.11) 121.96,11.12 122.69,11.12 C27.2
  Top w0.406: v2(59.72,6.2) 59.7,6.18 X1.B3 ; v2(63.72,6.21) 63.72,3.52 X1.A7 ; X1.B24 82.7,5.66 82.15,6.21 79.71,6.21 ; X1.A11 67.71,3.51 v2(67.71,6.17) ; v2(79.08,6.15) 79.65,6.15 79.71,6.21 ; 79.71,6.21 79.71,3.51 X1.B21 ; X1.A12 70.69,3.51 v2(70.69,6.21) ; v2(89.7,6.21) 89.7,6.21 X1.B31
  Bottom w0.406: X1.A4 60.7,5.66 60.16,6.2 v2(59.72,6.2)
  vias: v2(84.78,6.21) v2(91.21,18.36) v2(101.85,18.79) v2(111.16,14.27) v2(113.32,15.61) v2(114.39,24.26) v2(117.04,24.76) v2(120.61,25.17) v2(121.32,28.28) v2(127.56,13) v2(127.8,14.7) v2(130.38,11.56)
DUTY_100: length 113.3
  Top w0.203: IC11.13 95.29,44.5 95.04,44.75 95.04,45.29 95.42,45.67 96.73,45.67 96.91,45.48 128.69,45.48 129.52,46.31 v2(129.52,48.52) ; v2(129.29,79.16) 129.65,79.52 141.66,79.52 v2(141.68,79.5) ; Q4.1 158.04,94.96 R38.1 155.39,94.96 v2(155.32,94.89)
  In2.Cu w0.203: v2(155.32,94.89) 155.32,94.89 145.32,94.89 141.68,91.25 v2(141.68,79.5)
  Bottom w0.203: v2(129.29,79.16) 128.94,78.81 128.94,70.81 129.84,69.91 129.84,48.84 v2(129.52,48.52)
GCOM: length 90.6
  Top w0.254: v1(51.29,87.99) 51.85,87.99
  Top w0.406: IC15.6 57.11,70.77 v1(57.76,71.42) 58.38,70.8 IC15.7
  Top w0.61: 24.2,70.54 C97.1 24.32,72.38 25.18,72.38 v1(25.19,72.37) ; 78.77,59.61 v1(79.82,59.61)
  In2.Cu w0.61: 56.21,74.17 56.17,74.21 27.03,74.21 v1(25.19,72.37) ; v1(51.29,87.99) 56.21,83.07 56.21,72.97 v1(57.76,71.42) ; v1(57.76,62.8) 76.63,62.8 v1(79.82,59.61)
  Bottom w0.61: v1(57.76,71.42) v1(57.76,62.8)
I_MON: length 89.8
  Top w0.254: R7.2 112.36,54.68 110.29,54.68 109.36,55.61 90.68,55.61 v1(88.88,57.4) ; v1(50.02,70.1) 50.14,70.22 IC16.4 ; R74.2 57.7,82.33 57.7,85.77 56.68,86.79 IC13.6
  In2.Cu w0.254: v1(50.02,70.1) 50.31,69.81 59.32,69.81 ; 59.32,69.81 59.32,81.45 v1(58.44,82.33) ; 59.32,69.81 69.57,69.81 v1(69.9,70.14)
  Bottom w0.254: v1(88.88,57.4) 77.49,68.79 71.25,68.79 v1(69.9,70.14)
I_SERVO: length 58.8
  Top w0.2: R129.1 99.59,61.65
  Top w0.254: C80.2 52.65,77.87 v1(53.73,77.87) ; D12.A 67.71,77.57 69.55,75.73 69.55,72.34 73.76,68.13 92.07,68.13 95.28,64.92 D9.C 98.63,61.65 99.59,61.65 ; 59.6,77.48 59.58,77.49 58.39,77.49 v1(58.38,77.49) ; IC15.1 59.65,77.42
  Bottom w0.254: v1(53.73,77.87) 53.73,77.87 58,77.87 v1(58.38,77.49)
I_SET: length 117.4
  Top w0.254: IC18.5 25.79,79.75 v1(25.79,79.75) ; R112.2 71.55,45.36 ; 71.55,45.36 70.66,45.36 59.64,56.38 v1(58.53,56.38) ; 71.55,45.36 IC21.3 ; R5.2 112.19,48.57 v2(112.09,48.57) ; IC7.4 83.49,48.33 v2(83.87,47.95) ; v1(27.34,75.53) 27.97,74.9 30.91,74.9 33.77,72.05 33.77,58.42 v1(33.2,57.86)
  In2.Cu w0.203: v2(73.96,45.34) 75.49,46.86 82.77,46.86 v2(83.87,47.95)
  In2.Cu w0.254: v1(58.53,56.38) 56.72,56.38 55.25,57.86 v1(33.2,57.86) ; v1(25.79,79.75) 27.34,78.2 v1(27.34,75.53) ; v2(112.09,48.57) 110.44,50.22 89.84,50.22 87.57,47.95 v2(83.87,47.95)
I_SET_OUT: length 45.9
  Top w0.203: RV3.2 83.31,44.65 v2(83.13,44.83)
  Top w0.254: 67.44,75.62 67.62,75.62 v1(67.64,75.61) ; IC21.4 75.08,45.27 75.1,45.25 v1(75.1,44.93) 74.27,44.1 R112.1
  In2.Cu w0.203: v2(83.13,44.83) 82.91,44.61 75.43,44.61 v1(75.1,44.93)
  Bottom w0.254: v1(67.64,75.61) 67.64,63.32 67.64,56.03 75.11,48.56 75.11,44.94 v1(75.1,44.93)
